# KiCad board SparkX_Soft_Power_Switch_panelized.kicad_pcb (continued)
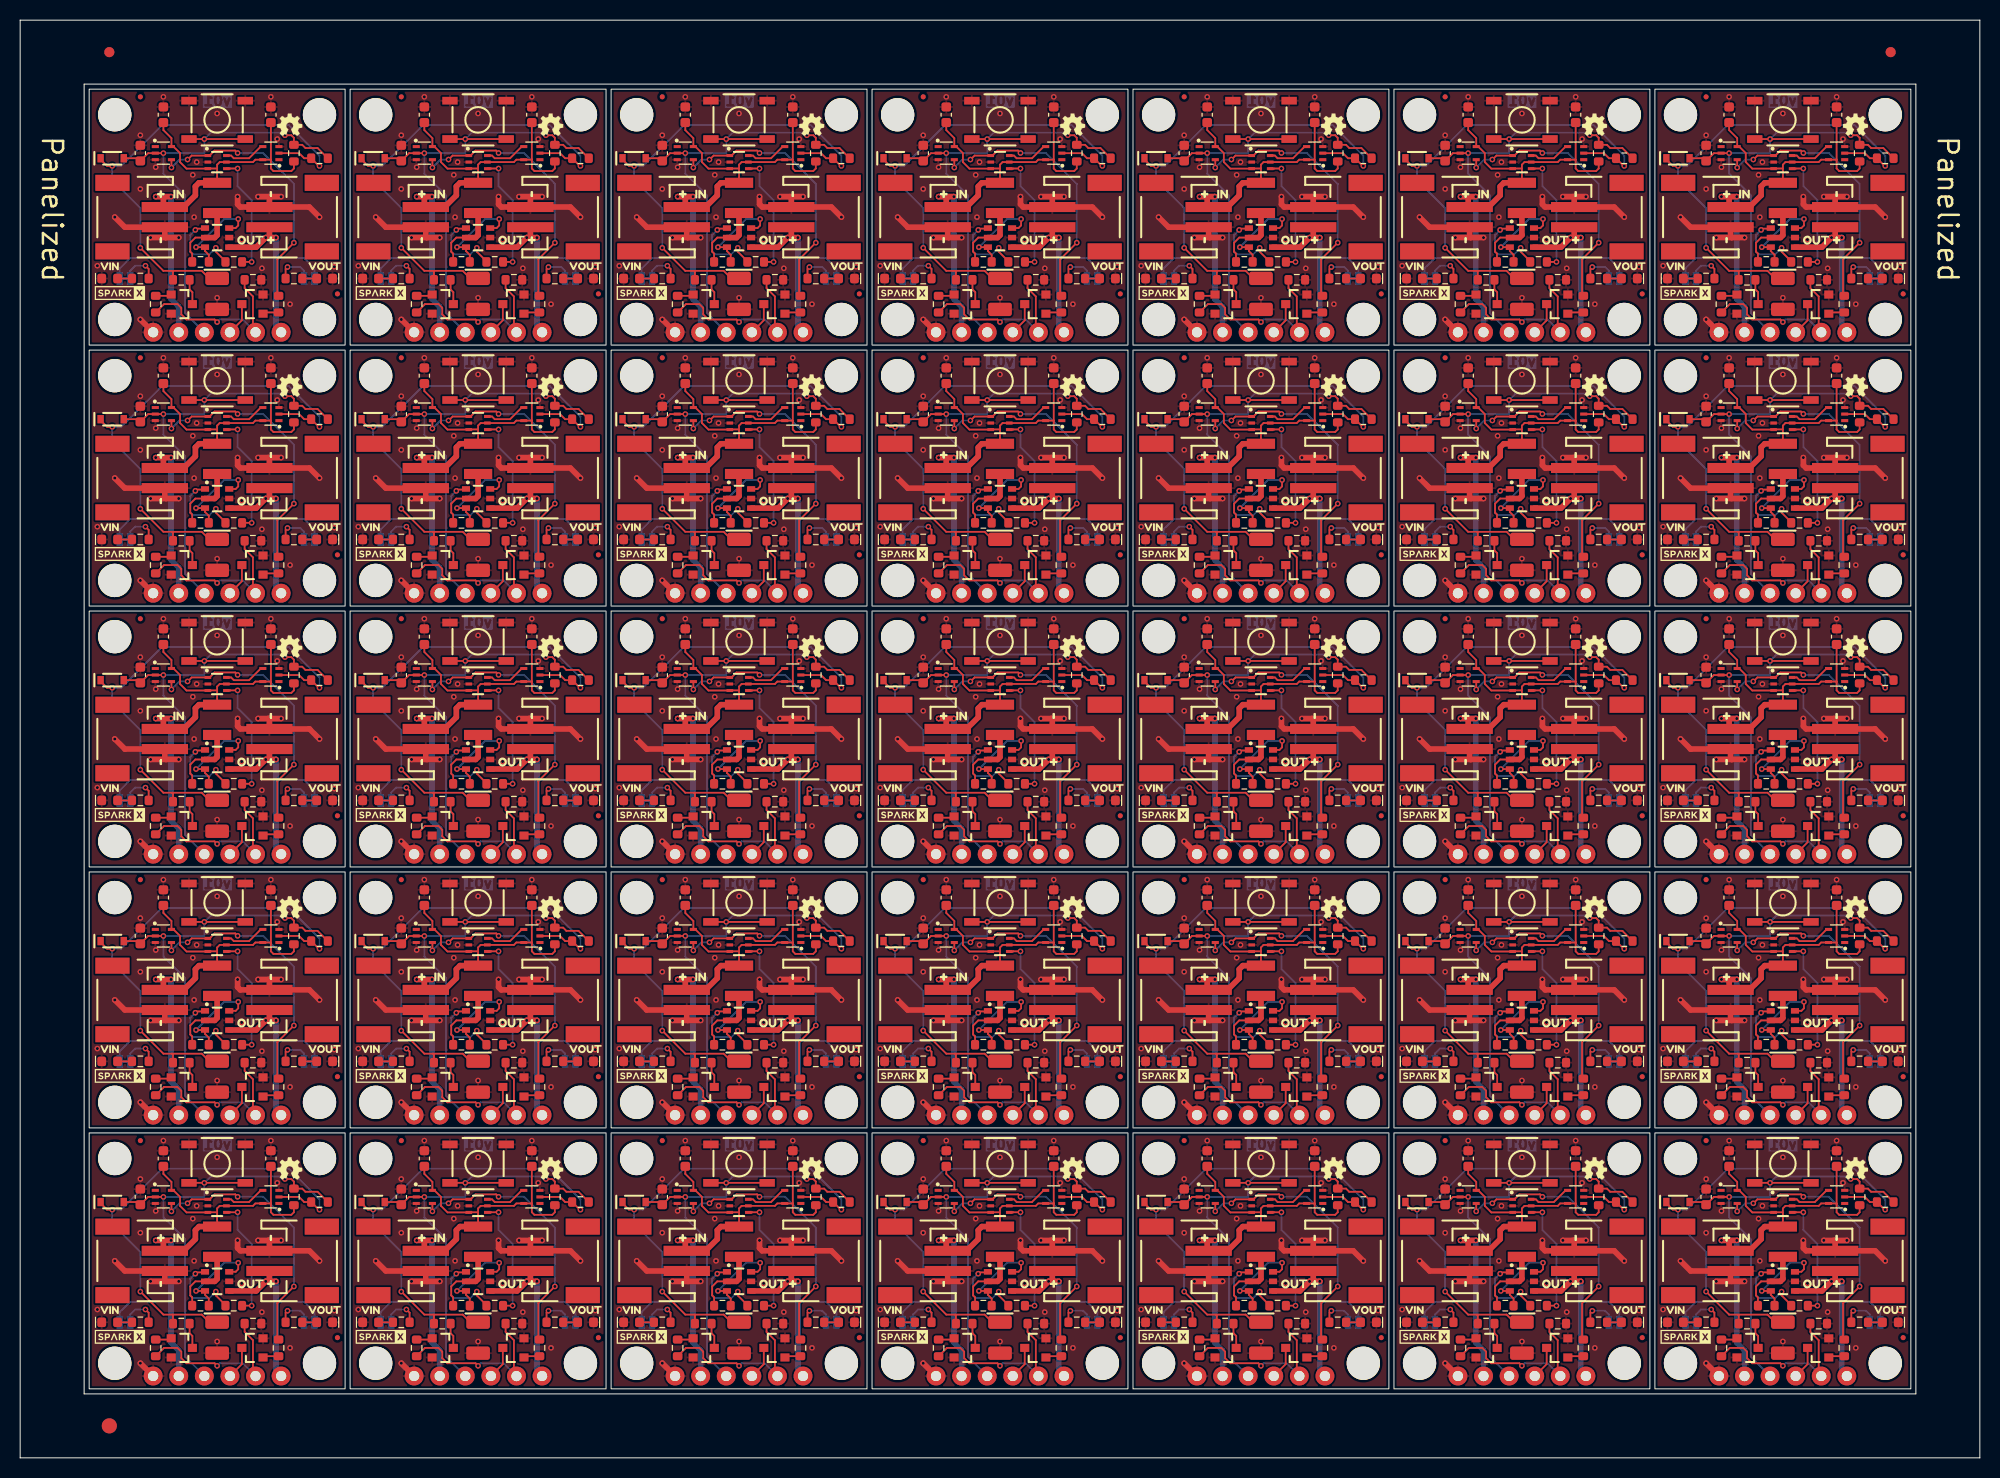
[diagram p0: board, top side]
## Routing (per net, layer and track width the routed paths; a pad name or vN(x,y) marks a point on that pad's centre or on a via; arc(x,y) is an arc through that point) (continued)
BTN: length 1709.9
  Top w0.178: 108.24,103.09 107.22,104.11 106.01,104.11 105.7,104.42 R1#19.2 104.87,105.12 104.62,105.38 v1(103.98,105.38) ; D1#31.A 141.16,128.99 C1#29.1 142.21,129.5 U2#35.2 v1(143.72,129.5) ; 82.34,103.09 81.32,104.11 80.11,104.11 79.8,104.42 R1#17.2 78.97,105.12 78.72,105.38 v1(78.08,105.38) ; D1#20.A 89.36,51.29 89.63,51.03 90.41,51.8 U2#5.2 v1(91.92,51.8) ; v1(117.82,103.6) U2#10.2 116.31,103.6 C1#13.1 115.26,103.09 D1#4.A ; v1(40.12,129.5) U2#14.2 38.6,129.5 C1#7.1 37.56,128.99 D1#9.A ; v1(117.82,129.5) U2#11.2 116.31,129.5 C1#18.1 115.26,128.99 D1#24.A ; SW1#3.2 v1(44.18,27.3) SW1#3.2 ; 82.34,128.99 81.32,130.01 80.11,130.01 79.8,130.32 78.97,130.32 78.97,131.02 78.72,131.28 v1(78.08,131.28) ; v1(143.72,77.7) U2#34.2 142.21,77.7 C1#28.1 141.16,77.19 D1#27.A ; SW1#17.2 v1(95.98,27.3) SW1#17.2 ; v1(66.02,129.5) U2.2 64.5,129.5 C1#11.1 63.46,128.99 D1#14.A ; 146.26,130.9 v1(147.78,130.9) 151.84,130.9 ; v1(91.92,25.9) U2#2.2 90.41,25.9 C1#26.1 89.36,25.39 D1#15.A ; SW1#5.2 v1(18.28,79.1) SW1#5.2 ; 108.24,51.29 107.22,52.31 106.01,52.31 105.7,52.62 R1#18.2 104.87,53.32 104.62,53.58 v1(103.98,53.58) ; 125.94,105 v1(121.88,105) 120.36,105 ; SW1#23.2 v1(70.08,27.3) SW1#23.2 ; 68.56,105 v1(70.08,105) 74.14,105 ; SW1#9.2 v1(147.78,79.1) SW1#9.2 ; v1(155.78,131.28) 156.42,131.28 156.67,131.02 156.67,130.32 157.5,130.32 157.81,130.01 159.02,130.01 R2#29.2 ; v1(14.22,129.5) U2#23.2 12.7,129.5 C1#8.1 11.66,128.99 D1#6.A ; v1(129.88,53.58) 130.52,53.58 130.77,53.32 R1#5.2 131.6,52.62 131.91,52.31 133.12,52.31 R2#13.2 ; v1(181.68,27.68) 182.32,27.68 182.57,27.42 R1#29.2 183.4,26.73 183.71,26.41 184.92,26.41 R2#30.2 ; v1(40.12,103.6) U2#22.2 38.6,103.6 C1#6.1 37.56,103.09 D1.A ; D1#19.A 63.46,25.39 C1#9.1 64.5,25.9 U2#16.2 v1(66.02,25.9) ; R2#2.2 29.52,52.31 28.31,52.31 28,52.62 R1#12.2 27.17,53.32 26.92,53.58 v1(26.28,53.58) ; SW1#8.2 v1(95.98,53.2) SW1#8.2 ; D1#22.A 115.26,51.29 115.53,51.03 116.31,51.8 U2#7.2 v1(117.82,51.8) ; 108.24,128.99 107.22,130.01 106.01,130.01 105.7,130.32 104.87,130.32 104.87,131.02 104.62,131.28 v1(103.98,131.28) ; D1#17.A 89.36,103.09 C1#16.1 90.41,103.6 U2#4.2 v1(91.92,103.6) ; 151.84,105 v1(147.78,105) 146.26,105 ; R2#26.2 159.02,52.31 157.81,52.31 157.5,52.62 R1#24.2 156.67,53.32 156.42,53.58 v1(155.78,53.58) ; D1#11.A 63.46,77.19 C1#23.1 64.5,77.7 U2#12.2 v1(66.02,77.7) ; D1#25.A 141.16,25.39 C1#32.1 142.21,25.9 U2#25.2 v1(143.72,25.9) ; SW1#27.2 v1(121.88,27.3) SW1#27.2 ; SW1#21.2 v1(95.98,79.1) SW1#21.2 ; D1#10.A 11.66,77.19 C1#10.1 12.7,77.7 U2#21.2 v1(14.22,77.7) ; D1#13.A 63.46,103.09 C1#19.1 64.5,103.6 U2#13.2 v1(66.02,103.6) ; R2#33.2 184.92,104.11 183.71,104.11 183.4,104.42 R1#25.2 182.57,105.12 182.32,105.38 v1(181.68,105.38) ; R2#28.2 159.02,104.11 157.81,104.11 157.5,104.42 R1#28.2 156.67,105.12 156.42,105.38 v1(155.78,105.38) ; D1#34.A 167.06,128.99 C1#34.1 168.1,129.5 U2#32.2 v1(169.62,129.5) ; v1(14.22,103.6) U2#19.2 12.7,103.6 C1#4.1 11.66,103.09 D1#3.A ; R2#27.2 159.02,78.21 157.81,78.21 157.5,78.53 R1#27.2 156.67,79.22 156.42,79.48 v1(155.78,79.48) ; v1(169.62,77.7) U2#30.2 168.1,77.7 C1#15.1 167.06,77.19 D1#29.A ; R2#23.2 133.12,78.21 131.91,78.21 131.6,78.53 R1#30.2 130.77,79.22 130.52,79.48 v1(129.88,79.48) ; v1(155.78,27.68) 156.42,27.68 156.67,27.42 R1#34.2 157.5,26.73 157.81,26.41 159.02,26.41 R2#25.2 ; SW1.2 v1(18.28,53.2) SW1.2 ; v1(78.08,53.58) 78.72,53.58 78.97,53.32 R1#16.2 79.8,52.62 80.11,52.31 81.32,52.31 82.34,51.29 ; D1#32.A 167.06,51.29 167.33,51.03 168.1,51.8 U2#27.2 v1(169.62,51.8) ; 177.74,130.9 v1(173.68,130.9) 172.16,130.9 ; D1#16.A 89.36,77.19 C1#12.1 90.41,77.7 U2#3.2 v1(91.92,77.7) ; 108.24,77.19 107.22,78.21 106.01,78.21 105.7,78.53 R1#3.2 104.87,79.22 104.62,79.48 v1(103.98,79.48) ; R2#6.2 29.52,78.21 28.31,78.21 28,78.53 R1#10.2 27.17,79.22 26.92,79.48 v1(26.28,79.48) ; v1(26.28,131.28) 26.92,131.28 27.17,131.02 27.17,130.32 28,130.32 28.31,130.01 29.52,130.01 R2#14.2 ; v1(26.28,27.68) 26.92,27.68 27.17,27.42 R1#35.2 28,26.73 28.31,26.41 29.52,26.41 R2#35.2 ; SW1#35.2 v1(18.28,27.3) SW1#35.2 ; v1(143.72,103.6) U2#29.2 142.21,103.6 C1#17.1 141.16,103.09 D1#28.A ; v1(117.82,25.9) U2#6.2 116.31,25.9 C1#24.1 115.26,25.39 D1#21.A ; v1(117.82,77.7) U2#9.2 116.31,77.7 C1#31.1 115.26,77.19 D1#23.A ; 22.34,130.9 v1(18.28,130.9) 16.76,130.9 ; SW1#29.2 v1(147.78,27.3) SW1#29.2 ; R2#31.2 184.92,52.31 183.71,52.31 183.4,52.62 R1#31.2 182.57,53.32 182.32,53.58 v1(181.68,53.58) ; v1(40.12,77.7) U2#18.2 38.6,77.7 C1#5.1 37.56,77.19 D1#18.A ; 22.34,105 v1(18.28,105) 16.76,105 ; v1(14.22,51.8) U2#20.2 12.7,51.8 11.93,51.03 11.66,51.29 D1#5.A ; D1#30.A 167.06,25.39 C1#14.1 168.1,25.9 U2#33.2 v1(169.62,25.9) ; v1(26.28,105.38) 26.92,105.38 27.17,105.12 R1#6.2 28,104.42 28.31,104.11 29.52,104.11 R2#10.2 ; R2#16.2 55.42,78.21 54.21,78.21 53.9,78.53 R1#11.2 53.07,79.22 52.82,79.48 v1(52.18,79.48) ; D1#12.A 63.46,51.29 63.73,51.03 64.5,51.8 U2#15.2 v1(66.02,51.8) ; SW1#4.2 v1(44.18,79.1) SW1#4.2 ; 68.56,130.9 v1(70.08,130.9) 74.14,130.9 ; D1#35.A 11.66,25.39 C1#35.1 12.7,25.9 U2#26.2 v1(14.22,25.9) ; SW1#19.2 v1(121.88,79.1) SW1#19.2 ; R2#32.2 184.92,78.21 183.71,78.21 183.4,78.53 R1#32.2 182.57,79.22 182.32,79.48 v1(181.68,79.48) ; SW1#12.2 v1(173.68,53.2) SW1#12.2 ; SW1#16.2 v1(70.08,79.1) SW1#16.2 ; SW1#30.2 v1(147.78,53.2) SW1#30.2 ; 108.24,25.39 107.22,26.41 106.01,26.41 105.7,26.73 R1#2.2 104.87,27.42 104.62,27.68 v1(103.98,27.68) ; SW1#32.2 v1(173.68,27.3) SW1#32.2 ; v1(40.12,51.8) U2#24.2 38.6,51.8 37.83,51.03 37.56,51.29 D1#8.A ; 48.24,105 v1(44.18,105) 42.66,105 ; SW1#28.2 v1(121.88,53.2) SW1#28.2 ; 94.46,105 v1(95.98,105) 100.04,105 ; 48.24,130.9 v1(44.18,130.9) 42.66,130.9 ; SW1#15.2 v1(70.08,53.2) SW1#15.2 ; v1(169.62,103.6) U2#31.2 168.1,103.6 C1#33.1 167.06,103.09 D1#33.A ; 94.46,130.9 v1(95.98,130.9) 100.04,130.9 ; v1(129.88,27.68) 130.52,27.68 130.77,27.42 R1#21.2 131.6,26.73 131.91,26.41 133.12,26.41 R2#5.2 ; 125.94,130.9 v1(121.88,130.9) 120.36,130.9 ; v1(52.18,53.58) 52.82,53.58 53.07,53.32 R1#8.2 53.9,52.62 54.21,52.31 55.42,52.31 R2#15.2 ; 177.74,105 v1(173.68,105) 172.16,105 ; SW1#11.2 v1(173.68,79.1) SW1#11.2 ; R2#34.2 184.92,130.01 183.71,130.01 183.4,130.32 182.57,130.32 182.57,131.02 182.32,131.28 v1(181.68,131.28) ; D1#26.A 141.16,51.29 141.43,51.03 142.21,51.8 U2#28.2 v1(143.72,51.8) ; D1#7.A 37.56,25.39 C1#2.1 38.6,25.9 U2#17.2 v1(40.12,25.9) ; R2#19.2 55.42,130.01 54.21,130.01 53.9,130.32 53.07,130.32 53.07,131.02 52.82,131.28 v1(52.18,131.28) ; v1(78.08,27.68) 78.72,27.68 78.97,27.42 R1#15.2 79.8,26.73 80.11,26.41 81.32,26.41 82.34,25.39 ; R2#24.2 133.12,104.11 131.91,104.11 131.6,104.42 R1#23.2 130.77,105.12 130.52,105.38 v1(129.88,105.38) ; SW1#7.2 v1(44.18,53.2) SW1#7.2 ; 82.34,77.19 81.32,78.21 80.11,78.21 79.8,78.53 R1.2 78.97,79.22 78.72,79.48 v1(78.08,79.48) ; v1(52.18,105.38) 52.82,105.38 53.07,105.12 R1#9.2 53.9,104.42 54.21,104.11 55.42,104.11 R2.2 ; v1(52.18,27.68) 52.82,27.68 53.07,27.42 R1#4.2 53.9,26.73 54.21,26.41 55.42,26.41 R2#18.2 ; v1(129.88,131.28) 130.52,131.28 130.77,131.02 130.77,130.32 131.6,130.32 131.91,130.01 133.12,130.01 R2#7.2 ; v1(91.92,129.5) U2#8.2 90.41,129.5 C1#27.1 89.36,128.99 D1#2.A
  Bottom w0.178: J3#27.4 171.78,87.72 171.78,99.41 169.62,101.57 v1(169.62,103.6) 173.68,103.6 v1(173.68,105) 174.32,105.63 181.43,105.63 v1(181.68,105.38) ; v1(103.98,53.58) 103.73,53.83 96.62,53.83 v1(95.98,53.2) 95.98,51.8 v1(91.92,51.8) 91.92,49.77 94.07,47.61 94.07,35.92 J3#23.4 ; v1(129.88,131.28) 129.63,131.53 122.52,131.53 v1(121.88,130.9) 121.88,129.5 v1(117.82,129.5) 117.82,127.47 119.97,125.31 119.97,113.62 J3#25.4 ; v1(78.08,27.68) 77.83,27.93 70.72,27.93 v1(70.08,27.3) 70.08,25.9 v1(66.02,25.9) 66.02,23.87 68.18,21.71 68.18,10.03 J3#7.4 ; J3#29.4 171.78,10.03 171.78,21.71 169.62,23.87 v1(169.62,25.9) 173.68,25.9 v1(173.68,27.3) 174.32,27.93 181.43,27.93 v1(181.68,27.68) ; v1(155.78,79.48) 155.53,79.73 148.41,79.73 v1(147.78,79.1) 147.78,77.7 v1(143.72,77.7) 143.72,75.67 145.88,73.51 145.88,61.83 J3#32.4 ; v1(52.18,79.48) 51.93,79.73 44.81,79.73 v1(44.18,79.1) 44.18,77.7 v1(40.12,77.7) 40.12,75.67 42.28,73.51 42.28,61.83 J3#11.4 ; J3#14.4 119.97,10.03 119.97,21.71 117.82,23.87 v1(117.82,25.9) 121.88,25.9 v1(121.88,27.3) 122.52,27.93 129.63,27.93 v1(129.88,27.68) ; v1(129.88,79.48) 129.63,79.73 122.52,79.73 v1(121.88,79.1) 121.88,77.7 v1(117.82,77.7) 117.82,75.67 119.97,73.51 119.97,61.83 J3#3.4 ; J3#16.4 119.97,87.72 119.97,99.41 117.82,101.57 v1(117.82,103.6) 121.88,103.6 v1(121.88,105) 122.52,105.63 129.63,105.63 v1(129.88,105.38) ; J3#20.4 42.28,35.92 42.28,47.61 40.12,49.77 v1(40.12,51.8) 44.18,51.8 v1(44.18,53.2) 44.81,53.83 51.93,53.83 v1(52.18,53.58) ; J3#2.4 16.38,61.83 16.38,73.51 14.22,75.67 v1(14.22,77.7) 18.28,77.7 v1(18.28,79.1) 18.92,79.73 26.03,79.73 v1(26.28,79.48) ; J3#21.4 42.28,87.72 42.28,99.41 40.12,101.57 v1(40.12,103.6) 44.18,103.6 v1(44.18,105) 44.81,105.63 51.93,105.63 v1(52.18,105.38) ; v1(103.98,27.68) 103.73,27.93 96.62,27.93 v1(95.98,27.3) 95.98,25.9 v1(91.92,25.9) 91.92,23.87 94.07,21.71 94.07,10.03 J3#12.4 ; v1(78.08,131.28) 77.83,131.53 70.72,131.53 v1(70.08,130.9) 70.08,129.5 v1(66.02,129.5) 66.02,127.47 68.18,125.31 68.18,113.62 J3#18.4 ; v1(103.98,131.28) 103.73,131.53 96.62,131.53 v1(95.98,130.9) 95.98,129.5 v1(91.92,129.5) 91.92,127.47 94.07,125.31 94.07,113.62 J3#24.4 ; J3#9.4 42.28,113.62 42.28,125.31 40.12,127.47 v1(40.12,129.5) 44.18,129.5 v1(44.18,130.9) 44.81,131.53 51.93,131.53 v1(52.18,131.28) ; J3.4 16.38,35.92 16.38,47.61 14.22,49.77 v1(14.22,51.8) 18.28,51.8 v1(18.28,53.2) 18.92,53.83 26.03,53.83 v1(26.28,53.58) ; v1(155.78,53.58) 155.53,53.83 148.41,53.83 v1(147.78,53.2) 147.78,51.8 v1(143.72,51.8) 143.72,49.77 145.88,47.61 145.88,35.92 J3#33.4 ; v1(155.78,27.68) 155.53,27.93 148.41,27.93 v1(147.78,27.3) 147.78,25.9 v1(143.72,25.9) 143.72,23.87 145.88,21.71 145.88,10.03 J3#4.4 ; v1(181.68,79.48) 181.43,79.73 174.32,79.73 v1(173.68,79.1) 173.68,77.7 v1(169.62,77.7) 169.62,75.67 171.78,73.51 171.78,61.83 J3#26.4 ; J3#8.4 94.07,61.83 94.07,73.51 91.92,75.67 v1(91.92,77.7) 95.98,77.7 v1(95.98,79.1) 96.62,79.73 103.73,79.73 v1(103.98,79.48) ; J3#35.4 16.38,10.03 16.38,21.71 14.22,23.87 v1(14.22,25.9) 18.28,25.9 v1(18.28,27.3) 18.92,27.93 26.03,27.93 v1(26.28,27.68) ; v1(78.08,105.38) 77.83,105.63 70.72,105.63 v1(70.08,105) 70.08,103.6 v1(66.02,103.6) 66.02,101.57 68.18,99.41 68.18,87.72 J3#22.4 ; J3#10.4 42.28,10.03 42.28,21.71 40.12,23.87 v1(40.12,25.9) 44.18,25.9 v1(44.18,27.3) 44.81,27.93 51.93,27.93 v1(52.18,27.68) ; J3#13.4 94.07,87.72 94.07,99.41 91.92,101.57 v1(91.92,103.6) 95.98,103.6 v1(95.98,105) 96.62,105.63 103.73,105.63 v1(103.98,105.38) ; J3#15.4 119.97,35.92 119.97,47.61 117.82,49.77 v1(117.82,51.8) 121.88,51.8 v1(121.88,53.2) 122.52,53.83 129.63,53.83 v1(129.88,53.58) ; J3#19.4 68.18,61.83 68.18,73.51 66.02,75.67 v1(66.02,77.7) 70.08,77.7 v1(70.08,79.1) 70.72,79.73 77.83,79.73 v1(78.08,79.48) ; v1(26.28,131.28) 26.03,131.53 18.92,131.53 v1(18.28,130.9) 18.28,129.5 v1(14.22,129.5) 14.22,127.47 16.38,125.31 16.38,113.62 J3#6.4 ; J3#17.4 68.18,35.92 68.18,47.61 66.02,49.77 v1(66.02,51.8) 70.08,51.8 v1(70.08,53.2) 70.72,53.83 77.83,53.83 v1(78.08,53.58) ; J3#34.4 145.88,113.62 145.88,125.31 143.72,127.47 v1(143.72,129.5) 147.78,129.5 v1(147.78,130.9) 148.41,131.53 155.53,131.53 v1(155.78,131.28) ; v1(26.28,105.38) 26.03,105.63 18.92,105.63 v1(18.28,105) 18.28,103.6 v1(14.22,103.6) 14.22,101.57 16.38,99.41 16.38,87.72 J3#5.4 ; J3#30.4 171.78,113.62 171.78,125.31 169.62,127.47 v1(169.62,129.5) 173.68,129.5 v1(173.68,130.9) 174.32,131.53 181.43,131.53 v1(181.68,131.28) ; v1(155.78,105.38) 155.53,105.63 148.41,105.63 v1(147.78,105) 147.78,103.6 v1(143.72,103.6) 143.72,101.57 145.88,99.41 145.88,87.72 J3#28.4 ; v1(181.68,53.58) 181.43,53.83 174.32,53.83 v1(173.68,53.2) 173.68,51.8 v1(169.62,51.8) 169.62,49.77 171.78,47.61 171.78,35.92 J3#31.4
EN: length 417.2
  Top w0.178: U4#21.4 98.53,76.16 98.55,76.18 v1(99.28,76.18) ; U4#29.4 124.44,127.96 124.45,127.98 v1(125.18,127.98) ; v1(99.28,102.08) 98.55,102.08 98.53,102.06 U4#14.4 ; R9#9.2 v1(48.88,118.7) ; v1(151.08,76.18) 150.35,76.18 150.34,76.16 U4#23.4 ; 98.17,24.36 98.53,24.36 98.55,24.38 v1(99.28,24.38) ; v1(47.48,127.98) 46.75,127.98 46.74,127.96 U4#18.4 ; v1(21.58,127.98) 20.85,127.98 20.84,127.96 U4#8.4 ; R9#30.2 v1(126.58,15.11) ; R9#27.2 v1(100.68,92.81) ; U4#34.4 176.23,102.06 176.25,102.08 v1(176.98,102.08) ; R9#26.2 v1(178.38,41) ; v1(21.58,102.08) 20.85,102.08 20.84,102.06 U4#19.4 ; 20.47,24.36 20.84,24.36 20.85,24.38 v1(21.58,24.38) ; U4#11.4 98.53,50.26 98.55,50.28 v1(99.28,50.28) ; R9#35.2 v1(22.98,15.11) ; R9#29.2 v1(152.48,41) ; v1(73.38,102.08) 72.65,102.08 72.63,102.06 U4#7.4 ; v1(125.18,76.18) 124.45,76.18 124.44,76.16 U4#24.4 ; R9#12.2 v1(74.78,118.7) ; U4#28.4 176.23,50.26 176.25,50.28 v1(176.98,50.28) ; U4#9.4 46.74,102.06 46.75,102.08 v1(47.48,102.08) ; v1(151.08,24.38) 150.35,24.38 150.34,24.36 149.97,24.36 ; U4#20.4 72.63,50.26 72.65,50.28 v1(73.38,50.28) ; U4#27.4 150.34,102.06 150.35,102.08 v1(151.08,102.08) ; R9#11.2 v1(74.78,15.11) ; U4#4.4 72.63,76.16 72.65,76.18 v1(73.38,76.18) ; U4#12.4 46.74,76.16 46.75,76.18 v1(47.48,76.18) ; R9#33.2 v1(178.38,66.91) ; R9#32.2 v1(100.68,118.7) ; U4#16.4 176.23,76.16 176.25,76.18 v1(176.98,76.18) ; R9#6.2 v1(100.68,66.91) ; 46.37,24.36 46.74,24.36 46.75,24.38 v1(47.48,24.38) ; R9#19.2 v1(126.58,92.81) ; R9#3.2 v1(22.98,41) ; v1(73.38,24.38) 72.65,24.38 72.63,24.36 72.27,24.36 ; R9#8.2 v1(48.88,41) ; R9#16.2 v1(100.68,15.11) ; U4#15.4 124.44,50.26 124.45,50.28 v1(125.18,50.28) ; U4#17.4 72.63,127.96 72.65,127.98 v1(73.38,127.98) ; U4#13.4 20.84,50.26 20.85,50.28 v1(21.58,50.28) ; R9#7.2 v1(22.98,66.91) ; R9#25.2 v1(178.38,92.81) ; v1(151.08,50.28) 150.35,50.28 150.34,50.26 U4#25.4 ; R9#15.2 v1(48.88,92.81) ; v1(99.28,127.98) 98.55,127.98 98.53,127.96 U4#2.4 ; R9#5.2 v1(48.88,15.11) ; R9#13.2 v1(74.78,92.81) ; R9#18.2 v1(152.48,118.7) ; v1(176.98,24.38) 176.25,24.38 176.23,24.36 175.87,24.36 ; U4#22.4 124.44,102.06 124.45,102.08 v1(125.18,102.08) ; R9#23.2 v1(152.48,66.91) ; U4#31.4 150.34,127.96 150.35,127.98 v1(151.08,127.98) ; R9#31.2 v1(126.58,41) ; R9#10.2 v1(74.78,41) ; R9#34.2 v1(178.38,15.11) ; v1(125.18,24.38) 124.45,24.38 124.44,24.36 124.07,24.36 ; R9#2.2 v1(22.98,92.81) ; v1(47.48,50.28) 46.75,50.28 46.74,50.26 U4.4 ; R9#4.2 v1(22.98,118.7) ; R9#24.2 v1(126.58,66.91) ; R9#21.2 v1(152.48,92.81) ; R9.2 v1(48.88,66.91) ; R9#22.2 v1(152.48,15.11) ; U4#33.4 176.23,127.96 176.25,127.98 v1(176.98,127.98) ; R9#17.2 v1(100.68,41) ; U4#6.4 20.84,76.16 20.85,76.18 v1(21.58,76.18) ; R9#20.2 v1(126.58,118.7) ; R9#28.2 v1(178.38,118.7) ; R9#14.2 v1(74.78,66.91)
  Bottom w0.178: v1(178.38,66.91) 178.38,73.03 176.98,74.42 v1(176.98,76.18) ; v1(126.58,66.91) 126.58,73.03 125.18,74.42 v1(125.18,76.18) ; v1(178.38,118.7) 178.38,124.83 176.98,126.22 v1(176.98,127.98) ; v1(47.48,24.38) 47.48,22.62 48.88,21.23 v1(48.88,15.11) ; v1(22.98,15.11) 22.98,21.23 21.58,22.62 v1(21.58,24.38) ; v1(47.48,50.28) 47.48,48.52 48.88,47.13 v1(48.88,41) ; v1(73.38,76.18) 73.38,74.42 74.78,73.03 v1(74.78,66.91) ; v1(151.08,24.38) 151.08,22.62 152.48,21.23 v1(152.48,15.11) ; v1(126.58,92.81) 126.58,98.93 125.18,100.32 v1(125.18,102.08) ; v1(47.48,102.08) 47.48,100.32 48.88,98.93 v1(48.88,92.81) ; v1(99.28,50.28) 99.28,48.52 100.68,47.13 v1(100.68,41) ; v1(99.28,127.98) 99.28,126.22 100.68,124.83 v1(100.68,118.7) ; v1(22.98,66.91) 22.98,73.03 21.58,74.42 v1(21.58,76.18) ; v1(99.28,76.18) 99.28,74.42 100.68,73.03 v1(100.68,66.91) ; v1(100.68,15.11) 100.68,21.23 99.28,22.62 v1(99.28,24.38) ; v1(151.08,76.18) 151.08,74.42 152.48,73.03 v1(152.48,66.91) ; v1(151.08,102.08) 151.08,100.32 152.48,98.93 v1(152.48,92.81) ; v1(151.08,127.98) 151.08,126.22 152.48,124.83 v1(152.48,118.7) ; v1(178.38,41) 178.38,47.13 176.98,48.52 v1(176.98,50.28) ; v1(125.18,50.28) 125.18,48.52 126.58,47.13 v1(126.58,41) ; v1(151.08,50.28) 151.08,48.52 152.48,47.13 v1(152.48,41) ; v1(176.98,24.38) 176.98,22.62 178.38,21.23 v1(178.38,15.11) ; v1(74.78,92.81) 74.78,98.93 73.38,100.32 v1(73.38,102.08) ; v1(73.38,50.28) 73.38,48.52 74.78,47.13 v1(74.78,41) ; v1(126.58,15.11) 126.58,21.23 125.18,22.62 v1(125.18,24.38) ; v1(176.98,102.08) 176.98,100.32 178.38,98.93 v1(178.38,92.81) ; v1(22.98,92.81) 22.98,98.93 21.58,100.32 v1(21.58,102.08) ; v1(47.48,127.98) 47.48,126.22 48.88,124.83 v1(48.88,118.7) ; v1(47.48,76.18) 47.48,74.42 48.88,73.03 v1(48.88,66.91) ; v1(21.58,127.98) 21.58,126.22 22.98,124.83 v1(22.98,118.7) ; v1(125.18,127.98) 125.18,126.22 126.58,124.83 v1(126.58,118.7) ; v1(74.78,15.11) 74.78,21.23 73.38,22.62 v1(73.38,24.38) ; v1(99.28,102.08) 99.28,100.32 100.68,98.93 v1(100.68,92.81) ; v1(22.98,41) 22.98,47.13 21.58,48.52 v1(21.58,50.28) ; v1(73.38,127.98) 73.38,126.22 74.78,124.83 v1(74.78,118.7)
OFF: length 617.4
  Top w0.178: v1(71.35,112.74) 71.1,112.99 68.3,112.99 67.79,113.5 67.79,114.13 67.41,114.51 66.08,114.51 R6#22.2 ; J3#8.2 101.06,60.3 100.81,60.56 100.81,63.48 99.98,64.3 99.98,65.13 ; R7.1 48.18,64.3 49.01,63.48 49.01,60.56 49.26,60.3 J3#11.2 ; v1(149.05,9.14) 148.8,9.39 146,9.39 145.49,9.9 145.49,10.53 145.11,10.91 143.78,10.91 R6#28.2 ; 74.08,39.23 74.08,38.4 74.91,37.58 74.91,34.66 75.16,34.4 J3#17.2 ; J3#9.2 49.26,112.1 49.01,112.36 49.01,115.28 48.18,116.1 R7#4.1 ; R7#33.1 177.68,12.5 178.51,11.68 178.51,8.75 178.76,8.5 J3#29.2 ; R6#5.2 14.28,114.51 15.61,114.51 15.99,114.13 15.99,113.5 16.5,112.99 19.3,112.99 v1(19.55,112.74) ; J3#6.2 23.36,112.1 23.11,112.36 23.11,115.28 22.28,116.1 R7#3.1 ; v1(174.95,9.14) 174.7,9.39 171.9,9.39 171.39,9.9 171.39,10.53 171.01,10.91 169.68,10.91 R6#32.2 ; v1(174.95,112.74) 174.7,112.99 171.9,112.99 171.39,113.5 171.39,114.13 171.01,114.51 169.68,114.51 R6#34.2 ; R7#15.1 125.88,38.4 126.71,37.58 126.71,34.66 126.96,34.4 J3#15.2 ; J3#14.2 126.96,8.5 126.71,8.75 126.71,11.68 125.88,12.5 R7#25.1 ; v1(149.05,60.94) 148.8,61.19 146,61.19 145.49,61.7 145.49,62.33 145.11,62.71 143.78,62.71 R6#7.2 ; J3#18.2 75.16,112.1 74.91,112.36 74.91,115.28 74.08,116.1 74.08,116.93 ; v1(45.45,35.04) 45.2,35.29 42.4,35.29 41.89,35.8 41.89,36.43 41.51,36.81 40.18,36.81 R6#14.2 ; R7#34.1 177.68,116.1 178.51,115.28 178.51,112.36 178.76,112.1 J3#30.2 ; v1(123.15,112.74) 122.9,112.99 120.1,112.99 119.59,113.5 119.59,114.13 119.21,114.51 117.88,114.51 R6#24.2 ; v1(174.95,60.94) 174.7,61.19 171.9,61.19 171.39,61.7 171.39,62.33 171.01,62.71 169.68,62.71 R6#30.2 ; R6#25.2 40.18,88.61 41.51,88.61 41.89,88.23 41.89,87.6 42.4,87.09 45.2,87.09 v1(45.45,86.84) ; v1(97.25,112.74) 97,112.99 94.2,112.99 93.69,113.5 93.69,114.13 93.31,114.51 91.98,114.51 R6#19.2 ; J3#32.2 152.86,60.3 152.61,60.56 152.61,63.48 151.78,64.3 151.78,65.13 ; v1(97.25,86.84) 97,87.09 94.2,87.09 93.69,87.6 93.69,88.23 93.31,88.61 91.98,88.61 R6#18.2 ; v1(45.45,60.94) 45.2,61.19 42.4,61.19 41.89,61.7 41.89,62.33 41.51,62.71 40.18,62.71 R6#16.2 ; J3#3.2 126.96,60.3 126.71,60.56 126.71,63.48 125.88,64.3 R7#17.1 ; R7#28.1 125.88,116.1 126.71,115.28 126.71,112.36 126.96,112.1 J3#25.2 ; 74.08,65.13 74.08,64.3 74.91,63.48 74.91,60.56 75.16,60.3 J3#19.2 ; v1(45.45,9.14) 45.2,9.39 42.4,9.39 41.89,9.9 41.89,10.53 41.51,10.91 40.18,10.91 R6.2 ; J3#10.2 49.26,8.5 49.01,8.75 49.01,11.68 48.18,12.5 R7#10.1 ; J3#34.2 152.86,112.1 152.61,112.36 152.61,115.28 151.78,116.1 151.78,116.93 ; J3#24.2 101.06,112.1 100.81,112.36 100.81,115.28 99.98,116.1 99.98,116.93 ; R6#10.2 91.98,10.91 93.31,10.91 93.69,10.53 93.69,9.9 94.2,9.39 97,9.39 v1(97.25,9.14) ; J3#16.2 126.96,86.2 126.71,86.46 126.71,89.38 125.88,90.2 R7#18.1 ; R6#13.2 66.08,62.71 67.41,62.71 67.79,62.33 67.79,61.7 68.3,61.19 71.1,61.19 v1(71.35,60.94) ; 151.78,39.23 151.78,38.4 152.61,37.58 152.61,34.66 152.86,34.4 J3#33.2 ; R6#26.2 117.88,88.61 119.21,88.61 119.59,88.23 119.59,87.6 120.1,87.09 122.9,87.09 v1(123.15,86.84) ; J3#4.2 152.86,8.5 152.61,8.75 152.61,11.68 151.78,12.5 151.78,13.33 ; R6#11.2 117.88,36.81 119.21,36.81 119.59,36.43 119.59,35.8 120.1,35.29 122.9,35.29 v1(123.15,35.04) ; v1(149.05,86.84) 148.8,87.09 146,87.09 145.49,87.6 145.49,88.23 145.11,88.61 143.78,88.61 R6#29.2 ; J3#27.2 178.76,86.2 178.51,86.46 178.51,89.38 177.68,90.2 R7#32.1 ; J3#5.2 23.36,86.2 23.11,86.46 23.11,89.38 22.28,90.2 R7#6.1 ; J3#35.2 23.36,8.5 23.11,8.75 23.11,11.68 22.28,12.5 R7#35.1 ; 99.98,13.33 99.98,12.5 100.81,11.68 100.81,8.75 101.06,8.5 J3#12.2 ; v1(123.15,60.94) 122.9,61.19 120.1,61.19 119.59,61.7 119.59,62.33 119.21,62.71 117.88,62.71 R6#23.2 ; v1(19.55,86.84) 19.3,87.09 16.5,87.09 15.99,87.6 15.99,88.23 15.61,88.61 14.28,88.61 R6#3.2 ; R6#33.2 169.68,88.61 171.01,88.61 171.39,88.23 171.39,87.6 171.9,87.09 174.7,87.09 v1(174.95,86.84) ; R6#21.2 66.08,36.81 67.41,36.81 67.79,36.43 67.79,35.8 68.3,35.29 71.1,35.29 v1(71.35,35.04) ; R7#8.1 22.28,38.4 23.11,37.58 23.11,34.66 23.36,34.4 J3.2 ; J3#23.2 101.06,34.4 100.81,34.66 100.81,37.58 99.98,38.4 99.98,39.23 ; R7#31.1 177.68,64.3 178.51,63.48 178.51,60.56 178.76,60.3 J3#26.2 ; R7#12.1 22.28,64.3 23.11,63.48 23.11,60.56 23.36,60.3 J3#2.2 ; R6#12.2 91.98,62.71 93.31,62.71 93.69,62.33 93.69,61.7 94.2,61.19 97,61.19 v1(97.25,60.94) ; R6#4.2 14.28,62.71 15.61,62.71 15.99,62.33 15.99,61.7 16.5,61.19 19.3,61.19 v1(19.55,60.94) ; R6#31.2 169.68,36.81 171.01,36.81 171.39,36.43 171.39,35.8 171.9,35.29 174.7,35.29 v1(174.95,35.04) ; R6#17.2 66.08,88.61 67.41,88.61 67.79,88.23 67.79,87.6 68.3,87.09 71.1,87.09 v1(71.35,86.84) ; R7#5.1 48.18,38.4 49.01,37.58 49.01,34.66 49.26,34.4 J3#20.2 ; R6#35.2 14.28,10.91 15.61,10.91 15.99,10.53 15.99,9.9 16.5,9.39 19.3,9.39 v1(19.55,9.14) ; v1(71.35,9.14) 71.1,9.39 68.3,9.39 67.79,9.9 67.79,10.53 67.41,10.91 66.08,10.91 R6#20.2 ; J3#13.2 101.06,86.2 100.81,86.46 100.81,89.38 99.98,90.2 99.98,91.03 ; J3#28.2 152.86,86.2 152.61,86.46 152.61,89.38 151.78,90.2 151.78,91.03 ; J3#21.2 49.26,86.2 49.01,86.46 49.01,89.38 48.18,90.2 R7#7.1 ; R6#6.2 117.88,10.91 119.21,10.91 119.59,10.53 119.59,9.9 120.1,9.39 122.9,9.39 v1(123.15,9.14) ; J3#31.2 178.76,34.4 178.51,34.66 178.51,37.58 177.68,38.4 R7#21.1 ; v1(97.25,35.04) 97,35.29 94.2,35.29 93.69,35.8 93.69,36.43 93.31,36.81 91.98,36.81 R6#15.2 ; v1(45.45,112.74) 45.2,112.99 42.4,112.99 41.89,113.5 41.89,114.13 41.51,114.51 40.18,114.51 R6#9.2 ; v1(149.05,112.74) 148.8,112.99 146,112.99 145.49,113.5 145.49,114.13 145.11,114.51 143.78,114.51 R6#8.2 ; J3#7.2 75.16,8.5 74.91,8.75 74.91,11.68 74.08,12.5 74.08,13.33 ; R6#27.2 143.78,36.81 145.11,36.81 145.49,36.43 145.49,35.8 146,35.29 148.8,35.29 v1(149.05,35.04) ; v1(19.55,35.04) 19.3,35.29 16.5,35.29 15.99,35.8 15.99,36.43 15.61,36.81 14.28,36.81 R6#2.2 ; J3#22.2 75.16,86.2 74.91,86.46 74.91,89.38 74.08,90.2 74.08,91.03
  Bottom w0.178: J3#11.2 47.99,61.19 45.7,61.19 v1(45.45,60.94) ; v1(19.55,35.04) 19.8,35.29 22.09,35.29 J3.2 ; J3#15.2 125.69,35.29 123.4,35.29 v1(123.15,35.04) ; J3#10.2 47.99,9.39 45.7,9.39 v1(45.45,9.14) ; v1(45.45,112.74) 45.7,112.99 47.99,112.99 J3#9.2 ; J3#13.2 99.79,87.09 97.5,87.09 v1(97.25,86.84) ; J3#32.2 151.59,61.19 149.3,61.19 v1(149.05,60.94) ; v1(19.55,112.74) 19.8,112.99 22.09,112.99 J3#6.2 ; v1(174.95,9.14) 175.2,9.39 177.49,9.39 J3#29.2 ; J3#4.2 151.59,9.39 149.3,9.39 v1(149.05,9.14) ; J3#21.2 47.99,87.09 45.7,87.09 v1(45.45,86.84) ; J3#18.2 73.89,112.99 71.6,112.99 v1(71.35,112.74) ; J3#8.2 99.79,61.19 97.5,61.19 v1(97.25,60.94) ; J3#20.2 47.99,35.29 45.7,35.29 v1(45.45,35.04) ; J3#28.2 151.59,87.09 149.3,87.09 v1(149.05,86.84) ; J3#24.2 99.79,112.99 97.5,112.99 v1(97.25,112.74) ; v1(71.35,35.04) 71.6,35.29 73.89,35.29 J3#17.2 ; v1(71.35,60.94) 71.6,61.19 73.89,61.19 J3#19.2 ; v1(71.35,9.14) 71.6,9.39 73.89,9.39 J3#7.2 ; J3#12.2 99.79,9.39 97.5,9.39 v1(97.25,9.14) ; J3#31.2 177.49,35.29 175.2,35.29 v1(174.95,35.04) ; v1(174.95,60.94) 175.2,61.19 177.49,61.19 J3#26.2 ; J3#14.2 125.69,9.39 123.4,9.39 v1(123.15,9.14) ; J3#3.2 125.69,61.19 123.4,61.19 v1(123.15,60.94) ; J3#23.2 99.79,35.29 97.5,35.29 v1(97.25,35.04) ; J3#2.2 22.09,61.19 19.8,61.19 v1(19.55,60.94) ; J3#25.2 125.69,112.99 123.4,112.99 v1(123.15,112.74) ; J3#35.2 22.09,9.39 19.8,9.39 v1(19.55,9.14) ; J3#30.2 177.49,112.99 175.2,112.99 v1(174.95,112.74) ; J3#22.2 73.89,87.09 71.6,87.09 v1(71.35,86.84) ; v1(174.95,86.84) 175.2,87.09 177.49,87.09 J3#27.2 ; v1(19.55,86.84) 19.8,87.09 22.09,87.09 J3#5.2 ; J3#33.2 151.59,35.29 149.3,35.29 v1(149.05,35.04) ; J3#34.2 151.59,112.99 149.3,112.99 v1(149.05,112.74) ; v1(123.15,86.84) 123.4,87.09 125.69,87.09 J3#16.2
PUSH: length 115
  Top w0.178: Q2#30.3 99.71,112.91 J3#24.3 ; J3#19.3 73.81,61.11 Q2#14.3 ; Q2#17.3 125.61,87.01 J3#16.3 ; Q2#33.3 99.71,87.01 J3#13.3 ; Q2#26.3 125.61,61.11 J3#3.3 ; Q2#18.3 151.51,35.21 J3#33.3 ; J3.3 22.01,35.21 Q2#3.3 ; Q2#24.3 177.41,35.21 J3#31.3 ; J3#30.3 177.41,112.91 Q2.3 ; Q2#31.3 99.71,61.11 J3#8.3 ; J3#15.3 125.61,35.21 Q2#25.3 ; Q2#15.3 73.81,87.01 J3#22.3 ; J3#12.3 99.71,9.31 Q2#28.3 ; Q2#10.3 47.91,35.21 J3#20.3 ; Q2#12.3 47.91,87.01 J3#21.3 ; Q2#22.3 151.51,112.91 J3#34.3 ; Q2#21.3 151.51,9.31 J3#4.3 ; Q2#35.3 22.01,9.31 J3#35.3 ; Q2#20.3 151.51,61.11 J3#32.3 ; Q2#16.3 125.61,9.31 J3#14.3 ; Q2#9.3 22.01,87.01 J3#5.3 ; J3#18.3 73.81,112.91 Q2#5.3 ; J3#23.3 99.71,35.21 Q2#19.3 ; Q2#8.3 22.01,61.11 J3#2.3 ; Q2#7.3 22.01,112.91 J3#6.3 ; J3#11.3 47.91,61.11 Q2#11.3 ; Q2#34.3 125.61,112.91 J3#25.3 ; Q2#6.3 47.91,112.91 J3#9.3 ; Q2#23.3 177.41,9.31 J3#29.3 ; J3#17.3 73.81,35.21 Q2#4.3 ; Q2#2.3 47.91,9.31 J3#10.3 ; Q2#32.3 177.41,87.01 J3#27.3 ; J3#26.3 177.41,61.11 Q2#29.3 ; Q2#13.3 73.81,9.31 J3#7.3 ; J3#28.3 151.51,87.01 Q2#27.3
VOUT: length 768
  Top w0.559: 128.34,121.12 J2#19.2 ; 128.34,121.12 v1(127.98,121.12) 127.03,120.17 Q3#21.4 ; 128.34,121.12 v1(128.99,121.12) ; 76.54,121.12 v1(76.18,121.12) 75.23,120.17 Q3#11.4 ; 76.54,121.12 J2#2.2 ; 76.54,121.12 v1(77.19,121.12) ; 180.14,121.12 J2#33.2 ; 180.14,121.12 v1(179.78,121.12) 178.83,120.17 Q3#34.4 ; 180.14,121.12 v1(180.79,121.12) ; 50.64,43.42 J2#9.2 ; 50.64,43.42 v1(51.29,43.42) ; 50.64,43.42 v1(50.28,43.42) 49.33,42.47 Q3#6.4 ; Q3#28.4 178.83,94.27 v1(179.78,95.22) 180.14,95.22 ; 180.14,95.22 J2#31.2 ; 180.14,95.22 v1(180.79,95.22) ; Q3#19.4 101.13,94.27 v1(102.08,95.22) 102.44,95.22 ; v1(51.29,121.12) 50.64,121.12 ; 50.64,121.12 v1(50.28,121.12) 49.33,120.17 Q3#7.4 ; 50.64,121.12 J2#12.2 ; 154.24,69.32 J2#14.2 ; 154.24,69.32 v1(154.89,69.32) ; 154.24,69.32 v1(153.88,69.32) 152.93,68.37 Q3#15.4 ; 24.74,17.52 v1(24.38,17.52) 23.43,16.57 Q3#35.4 ; 24.74,17.52 J2#35.2 ; 24.74,17.52 v1(25.39,17.52) ; v1(77.19,95.22) 76.54,95.22 ; 76.54,95.22 v1(76.18,95.22) 75.23,94.27 Q3#12.4 ; 76.54,95.22 J2#22.2 ; Q3#13.4 75.23,16.57 v1(76.18,17.52) 76.54,17.52 ; Q3#14.4 75.23,68.37 v1(76.18,69.32) 76.54,69.32 ; 102.44,43.42 J2#29.2 ; 102.44,43.42 v1(102.08,43.42) 101.13,42.47 Q3#25.4 ; 102.44,43.42 v1(103.09,43.42) ; 180.14,43.42 J2#28.2 ; 180.14,43.42 v1(180.79,43.42) ; 180.14,43.42 v1(179.78,43.42) 178.83,42.47 Q3#32.4 ; 180.14,69.32 v1(179.78,69.32) 178.83,68.37 Q3#33.4 ; 180.14,69.32 v1(180.79,69.32) ; 180.14,69.32 J2#30.2 ; 102.44,69.32 v1(102.08,69.32) 101.13,68.37 Q3#18.4 ; 102.44,69.32 v1(103.09,69.32) ; 102.44,69.32 J2#17.2 ; 24.74,121.12 J2#7.2 ; 24.74,121.12 v1(25.39,121.12) ; 24.74,121.12 v1(24.38,121.12) 23.43,120.17 Q3#8.4 ; v1(180.79,17.52) 180.14,17.52 ; 180.14,17.52 v1(179.78,17.52) 178.83,16.57 Q3#31.4 ; 180.14,17.52 J2#27.2 ; 24.74,95.22 v1(24.38,95.22) 23.43,94.27 Q3#3.4 ; 24.74,95.22 J2#8.2 ; 24.74,95.22 v1(25.39,95.22) ; 128.34,43.42 v1(127.98,43.42) 127.03,42.47 Q3#23.4 ; 128.34,43.42 v1(128.99,43.42) ; 128.34,43.42 J2#15.2 ; v1(77.19,43.42) 76.54,43.42 ; 76.54,43.42 v1(76.18,43.42) 75.23,42.47 Q3#10.4 ; 76.54,43.42 J2#4.2 ; v1(51.29,95.22) 50.64,95.22 ; 50.64,95.22 J2#10.2 ; 50.64,95.22 v1(50.28,95.22) 49.33,94.27 Q3#9.4 ; 154.24,43.42 J2#25.2 ; 154.24,43.42 v1(153.88,43.42) 152.93,42.47 Q3#26.4 ; 154.24,43.42 v1(154.89,43.42) ; Q3#4.4 49.33,16.57 v1(50.28,17.52) 50.64,17.52 ; 102.44,121.12 J2#21.2 ; 102.44,121.12 v1(103.09,121.12) ; 102.44,121.12 v1(102.08,121.12) 101.13,120.17 Q3#16.4 ; 154.24,95.22 J2#34.2 ; 154.24,95.22 v1(154.89,95.22) ; 154.24,95.22 v1(153.88,95.22) 152.93,94.27 Q3#29.4 ; 76.54,17.52 v1(77.19,17.52) ; 76.54,17.52 J2#13.2 ; 128.34,69.32 J2#23.2 ; 128.34,69.32 v1(128.99,69.32) ; 128.34,69.32 v1(127.98,69.32) 127.03,68.37 Q3#20.4 ; 24.74,69.32 v1(24.38,69.32) 23.43,68.37 Q3.4 ; 24.74,69.32 v1(25.39,69.32) ; 24.74,69.32 J2#3.2 ; v1(128.99,17.52) 128.34,17.52 ; 128.34,17.52 v1(127.98,17.52) 127.03,16.57 Q3#27.4 ; 128.34,17.52 J2#32.2 ; 24.74,43.42 J2#6.2 ; 24.74,43.42 v1(25.39,43.42) ; 24.74,43.42 v1(24.38,43.42) 23.43,42.47 Q3#2.4 ; Q3#17.4 127.03,94.27 v1(127.98,95.22) 128.34,95.22 ; v1(103.09,17.52) 102.44,17.52 ; 102.44,17.52 v1(102.08,17.52) 101.13,16.57 Q3#22.4 ; 102.44,17.52 J2#16.2 ; 50.64,17.52 J2#11.2 ; 50.64,17.52 v1(51.29,17.52) ; 128.34,95.22 J2#24.2 ; 128.34,95.22 v1(128.99,95.22) ; 50.64,69.32 J2.2 ; 50.64,69.32 v1(50.28,69.32) 49.33,68.37 Q3#5.4 ; 50.64,69.32 v1(51.29,69.32) ; v1(154.89,17.52) 154.24,17.52 ; 154.24,17.52 v1(153.88,17.52) 152.93,16.57 Q3#24.4 ; 154.24,17.52 J2#20.2 ; 154.24,121.12 v1(153.88,121.12) 152.93,120.17 Q3#30.4 ; 154.24,121.12 v1(154.89,121.12) ; 154.24,121.12 J2#26.2 ; 76.54,69.32 J2#5.2 ; 76.54,69.32 v1(77.19,69.32) ; 102.44,95.22 J2#18.2 ; 102.44,95.22 v1(103.09,95.22)